# Altium PCB MSE-PCB-N1.PcbDoc (part 1 of 2)
Units mil, origin at the board's own origin, x right, y up, seen from the top; angles counter-clockwise.
Board outline 2086.61 x 3937.01 mil, 4 copper layers (Top Layer 1, Layer 2, Layer 3, Bottom Layer 4), stack 62.449 mil thick; 133 components, 118 nets, 385 pads, 141 vias.
Unrouted connection lines stored in the file: 63.
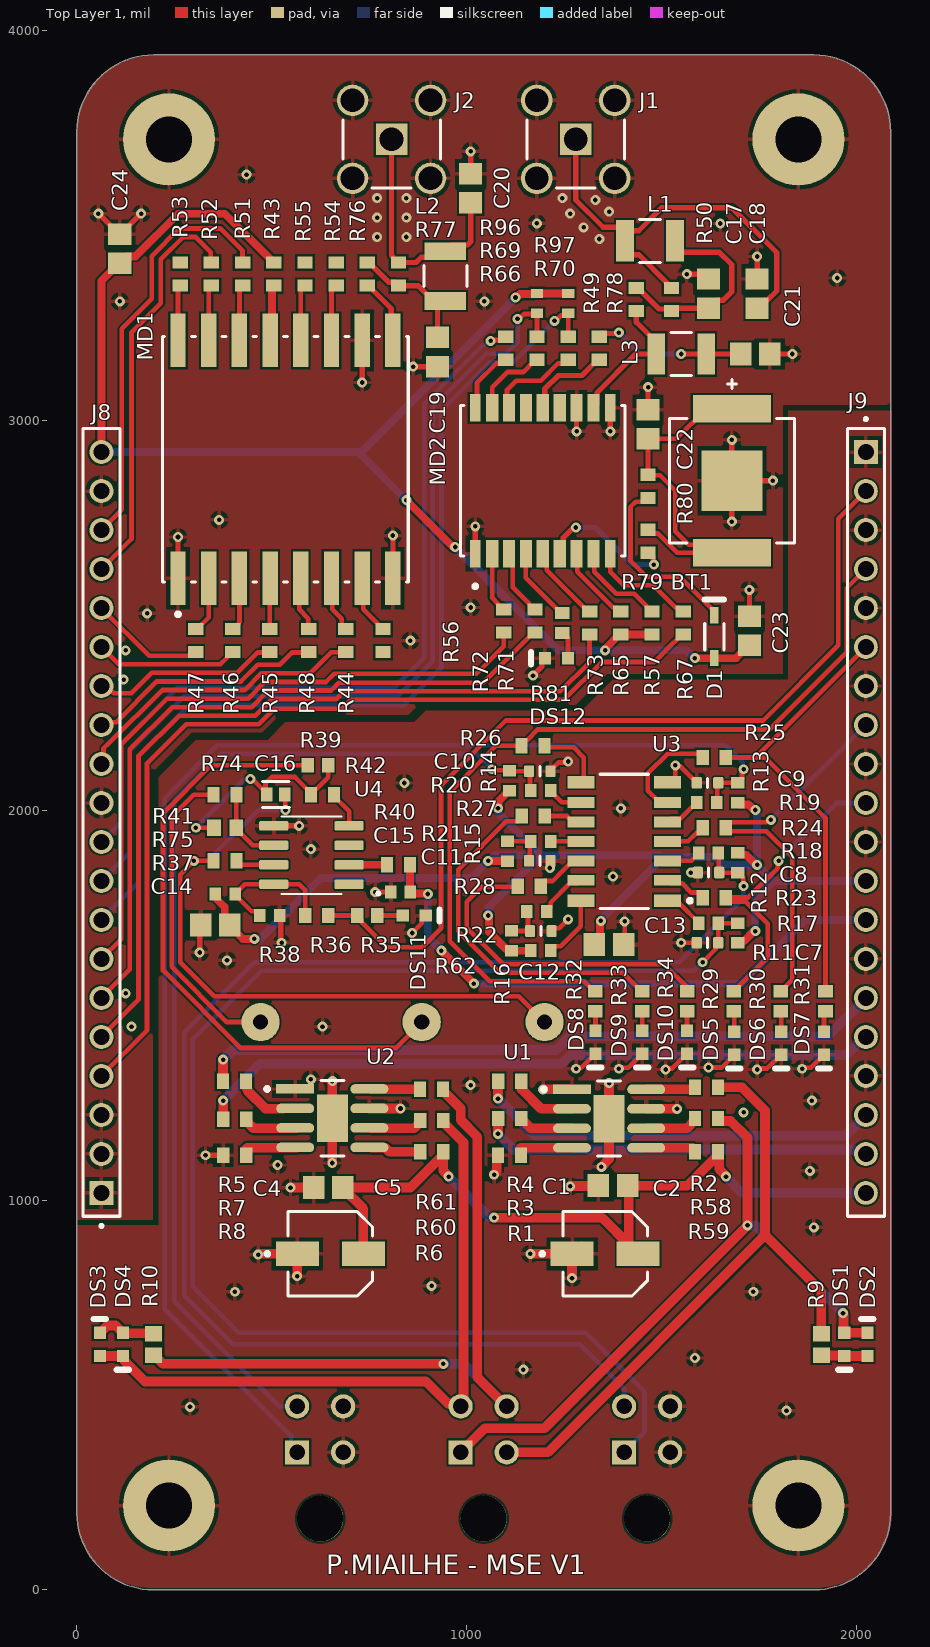
[diagram p0: Top Layer 1 view]
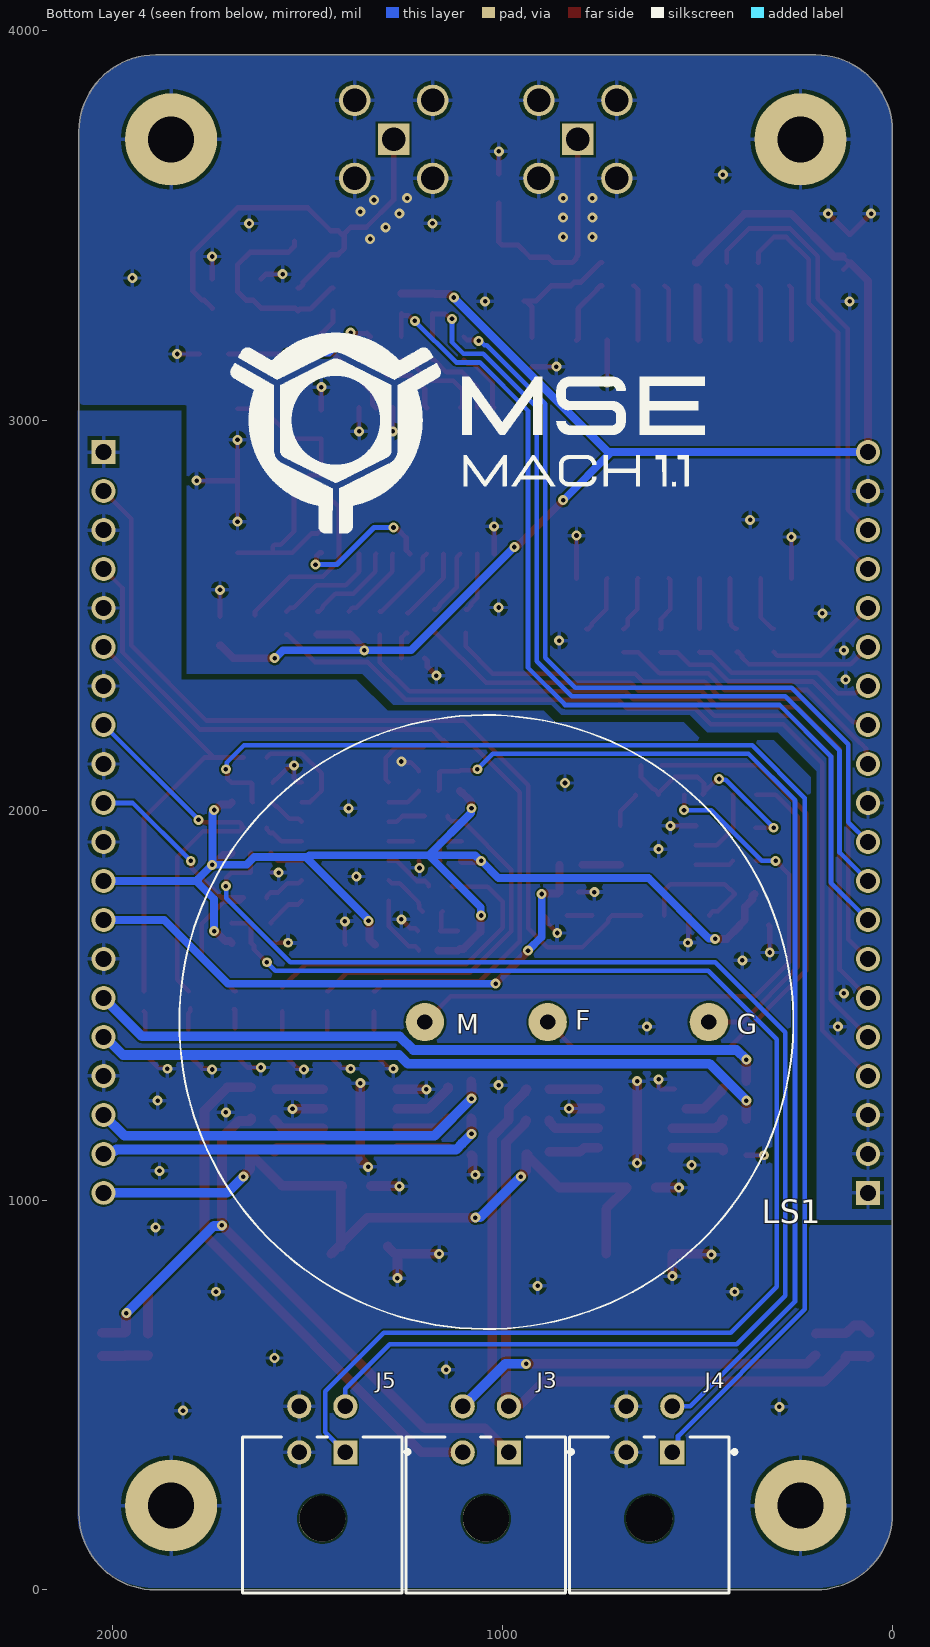
[diagram p1: Bottom Layer 4 view, seen from below]
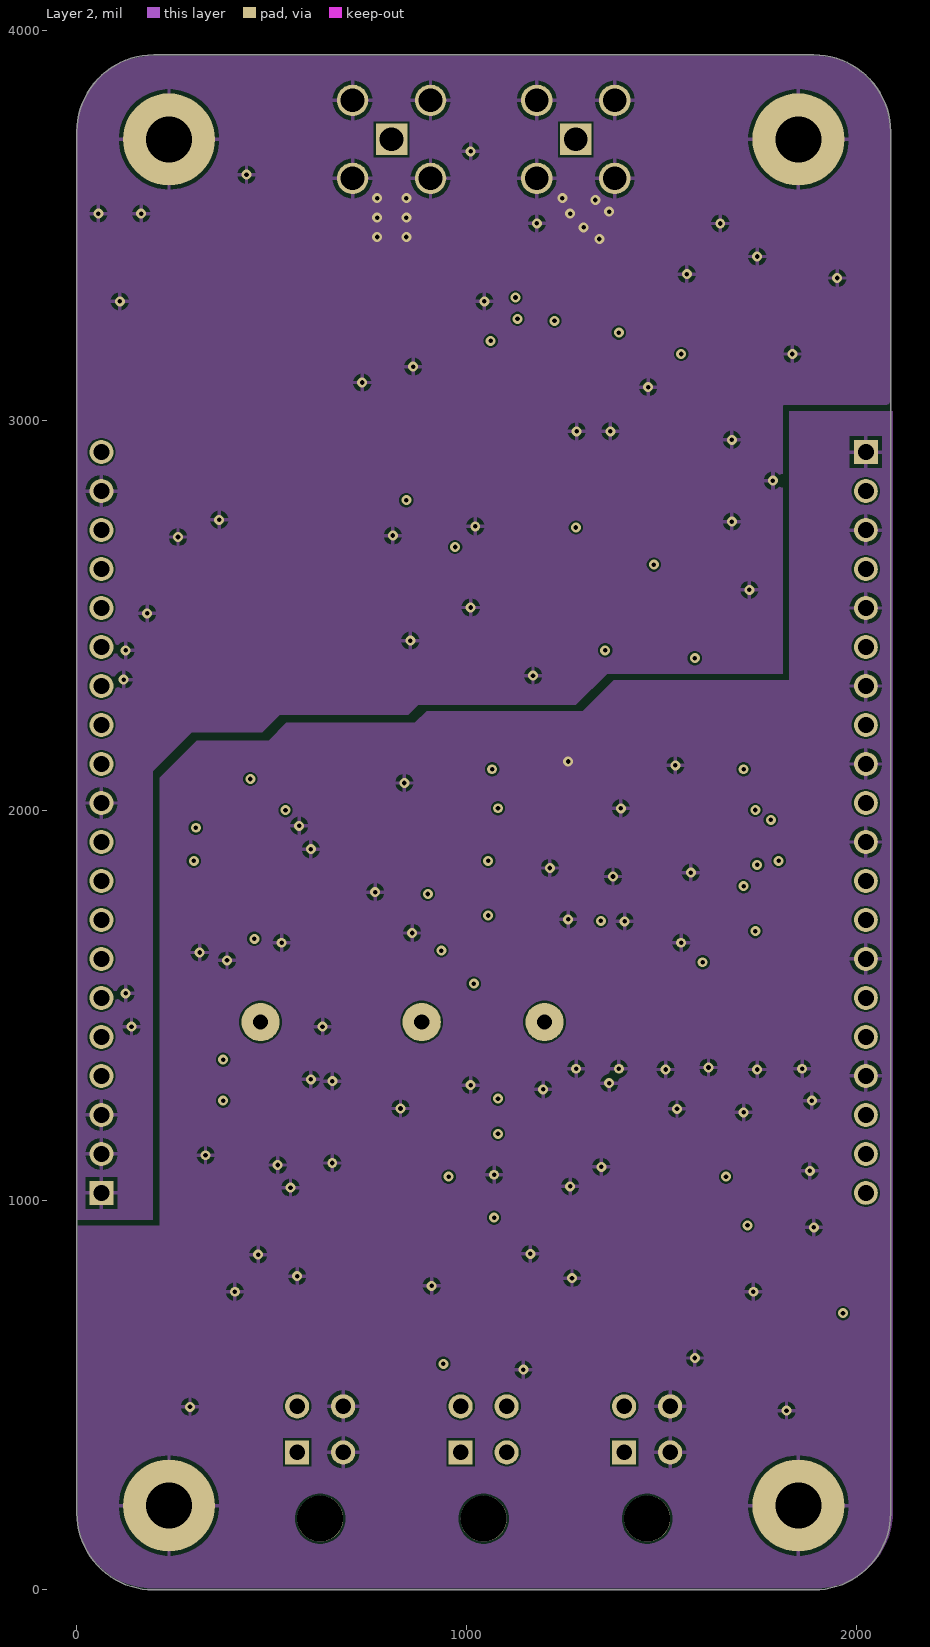
[diagram p2: Layer 2]
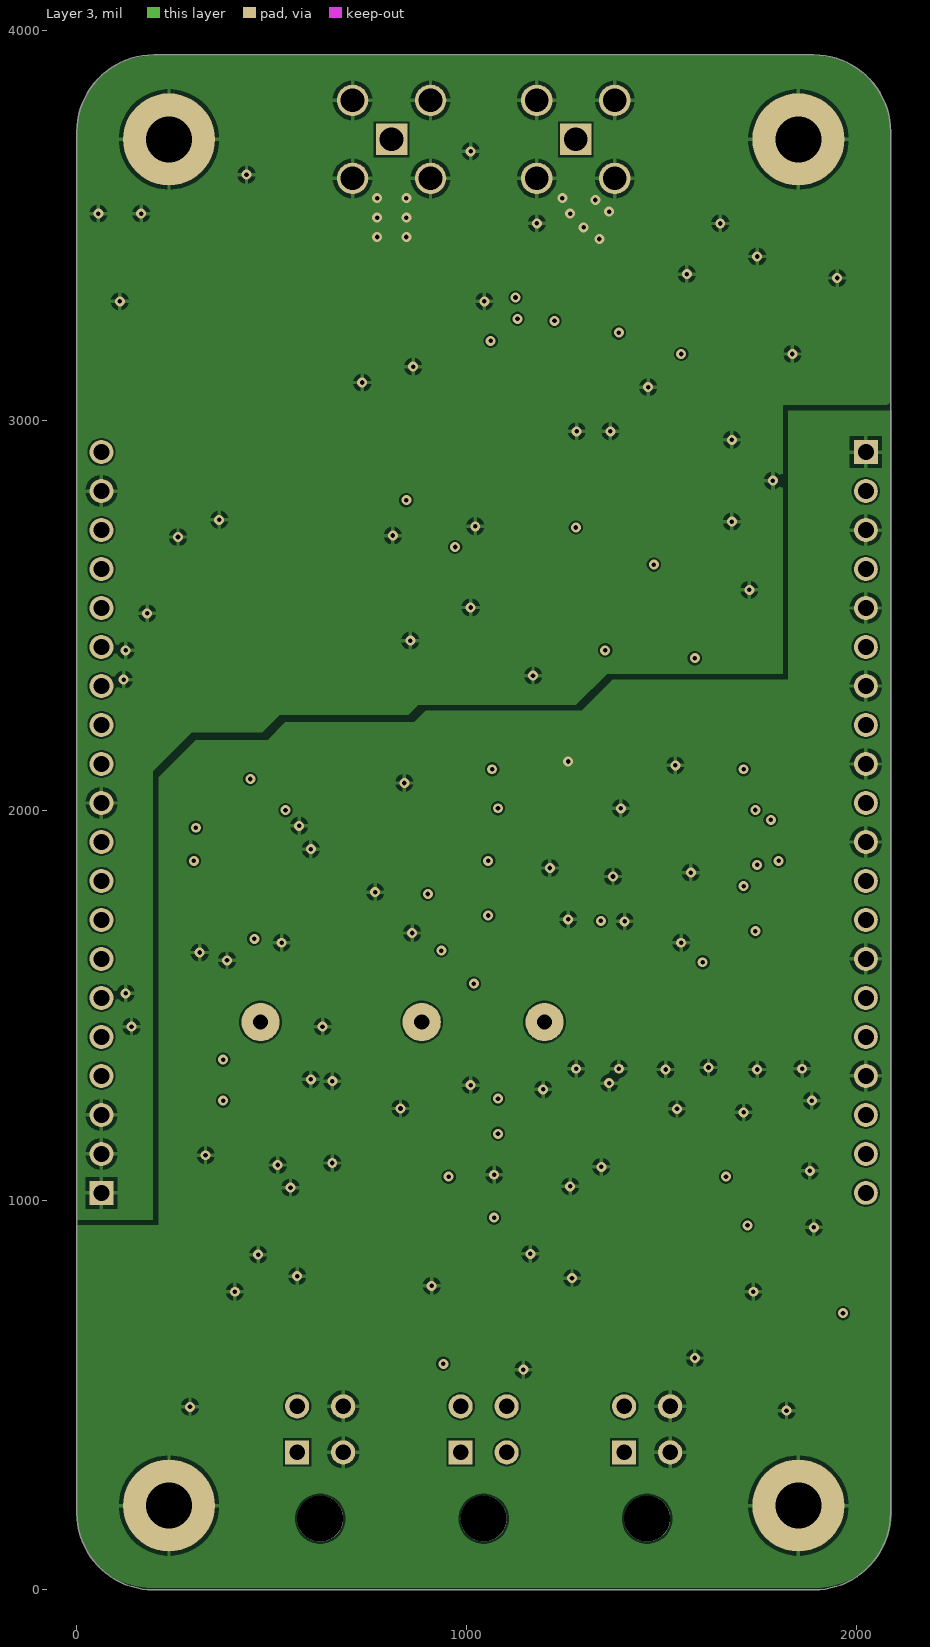
[diagram p3: Layer 3]
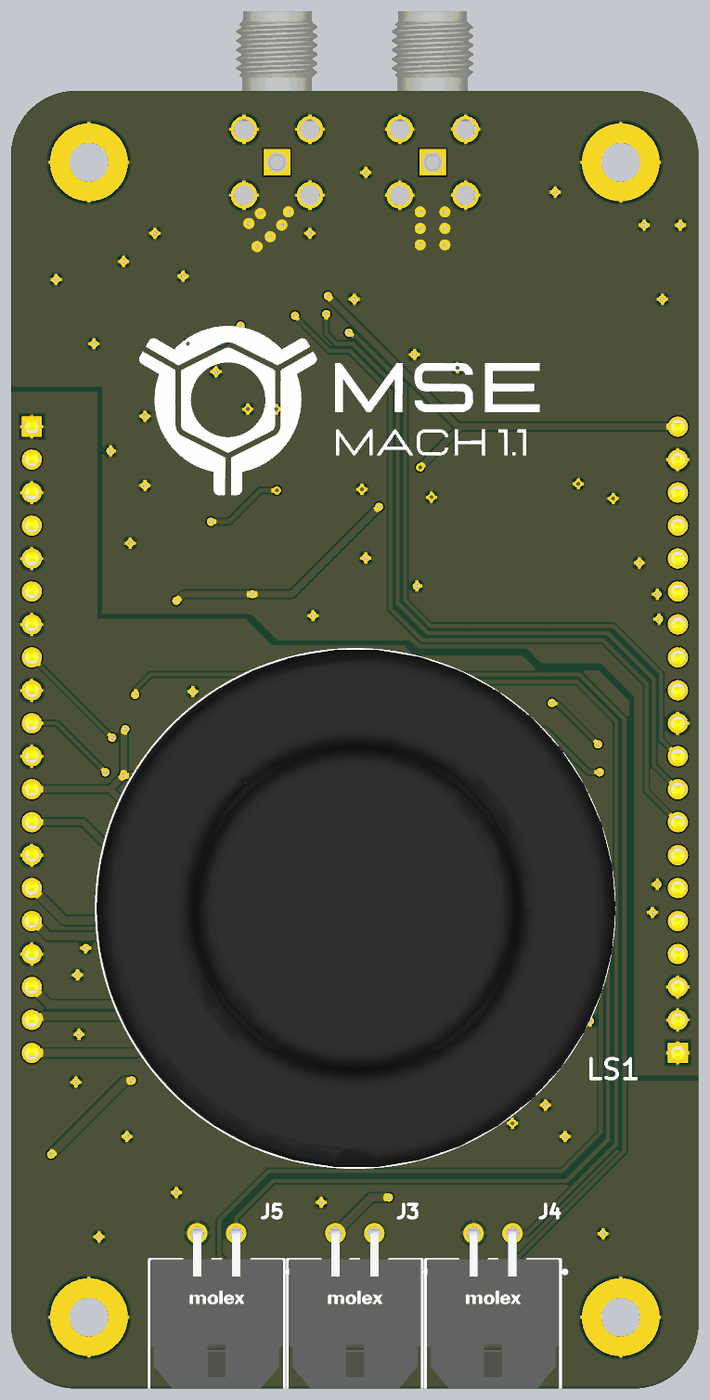
[diagram p5: 3D render of the assembled board from below, using the file's embedded part models]

## Layer stack, top to bottom
Top Solder: solder mask 0.8, SM-002, Dk 3.8
Top Layer 1: signal copper 1.378
Dielectric 2: prepreg 8.284, PP-022, Dk 4.6
Layer 2: signal copper 0.598
Dielectric 1: core 41.929, Core-042, Dk 4.6
Layer 3: signal copper 0.598
Dielectric 3: prepreg 8.284, PP-022, Dk 4.6
Bottom Layer 4: signal copper 1.378
Bottom Solder: solder mask 0.8, SM-002, Dk 3.8

## Board outline
0.25,197.1 0.25,3740.41 cw(c197.1,3740.41) 197.1,3937.26 1890.01,3937.26 cw(c1890.01,3740.41) 2086.86,3740.41 2086.86,197.1 cw(c1890.01,197.1) 1890.01,0.25 197.1,0.25 cw(c197.1,197.1)

## Design rules (kind name [scope] priority, off if disabled: settings)
Clearance [All] p1: gap=5 ignorepadtopadclearanceinfootprint=TRUE
PolygonConnect [All] p1: connectstyle=Relief reliefconductorwidth=10 reliefentries=4 polygonreliefangle="90 Angle" airgapwidth=10
RoutingVias "RoutingVias <= 0.45mm" [All] p1: holewidth=11.81 width=25.59 viastyle="Through Hole" minholewidth=9.84 minwidth=23.62 maxholewidth=17.72 maxwidth=31.5
RoutingVias "RoutingVias > 0.45" [All] p2: holewidth=19.68 width=33.47 viastyle="Through Hole" minholewidth=19.68 minwidth=33.47 maxholewidth=35.43 maxwidth=49.21
SolderMaskExpansion [All] p1: expansion=4 istentingtop=FALSE
Width "Schematic Width Constraint" [InNetClass('50R')] p1: maxlimit=13.57 minlimit=10.33 preferedwidth=13.57 toplayer_minwidth=13.57 midlayer1_maxwidth=10.33 midlayer1_prefwidth=10.33 midlayer2_maxwidth=10.33 midlayer2_prefwidth=10.33 bottomlayer_minwidth=13.57 impedanceprofiledriven=TRUE impedanceprofileid={4989CC44-6CF3-4D2A-A9EB-8AD993D5F0E3} impedanceprofilevalue=50.000000 minimp=50.000000 maximp=50.000000 favimp=50.000000 checkconnectedcopper=TRUE
Width Width_50R [InNetClass('50R')] p2: maxlimit=14.28 minlimit=10.33 preferedwidth=13.57 toplayer_minwidth=13.57 midlayer1_maxwidth=10.48 midlayer1_prefwidth=10.33 midlayer2_maxwidth=10.48 midlayer2_prefwidth=10.33 bottomlayer_minwidth=13.57 impedanceprofiledriven=TRUE impedanceprofileid={4989CC44-6CF3-4D2A-A9EB-8AD993D5F0E3} impedanceprofilevalue=50.000000 minimp=50.000000 maximp=50.000000 favimp=50.000000
Width [All] p3: maxlimit=25 minlimit=8 preferedwidth=12 minimp=50.000000 maximp=50.000000 favimp=50.000000
30 further rules are at their usual default settings.

## Classes and differential pairs
component class Connecteur: J3 J4 J5 J8 J9 R96 R97
net class 50R: GND_P NetC17_2 NetC18_2 NetC19_2 NetC20_2 NetC21_2 RF_IN RF_OUT VCC_RF

## Components (designator, comment, footprint, x,y, rotation, side; value= is the part's Value field where it differs from the comment)
BT1 "2998" FP-2998-MFG 1680,2845 r270 top
C1 "EEE1VA100SR" FP-SC-MFG 1355,862.05 r0 top
C2 "GRM21BR71H104KA01L" CAPC2013X135X45ML10T25 1375,1037.05 r0 top
C4 "EEE1VA100SR" FP-SC-MFG 650,862.05 r0 top
C5 "GRM21BR71H104KA01L" CAPC2013X135X45ML10T25 645,1032.05 r0 top
C7 "Capacitor 1µF +/-0.1% 25V 0603" CAPC0603(1608)100_L 1617.44,1660 r0 top value=1µF
C8 "Capacitor 1µF +/-0.1% 25V 0603" CAPC0603(1608)100_L 1620,1840 r0 top value=1µF
C9 "Capacitor 1µF +/-0.1% 25V 0603" CAPC0603(1608)100_L 1617.56,2070 r0 top value=1µF
C10 "Capacitor 1µF +/-0.1% 25V 0603" CAPC0603(1608)100_L 1187.44,2100 r180 top value=1µF
C11 "Capacitor 1µF +/-0.1% 25V 0603" CAPC0603(1608)100_L 1187.44,1870 r180 top value=1µF
C12 "Capacitor 1µF +/-0.1% 25V 0603" CAPC0603(1608)100_L 1190,1690 r180 top value=1µF
C13 "GRM21BR71H104KA01L" CAPC2013X135X45ML10T25 1365,1655 r180 top
C14 "GRM21BR71H104KA01L" CAPC2013X135X45ML10T25 355,1704.99 r0 top
C15 "GRM188R61E105KA12D" CAPC1608X90X35LL10T15 830,1789.99 r180 top
C16 "C0603C102J3GACTU" FP-C0603C-CF-MFG 510,2040 r0 top value="1,000 pF"
C17 "GRM21BR71H104KA01L" CAPC2013X135X45ML10T25 1620,3325 r270 top
C18 "GRM21BR71H104KA01L" CAPC2013X135X45ML10T25 1745,3325 r270 top
C19 "GRM21BR71H104KA01L" CAPC2013X135X45ML10T25 925,3175 r90 top
C20 "GRM21BR71H104KA01L" CAPC2013X135X45ML10T25 1010,3595 r270 top
C21 "GRM21BR71H104KA01L" CAPC2013X135X45ML10T25 1740,3170 r180 top
C22 "GRM21BR71H104KA01L" CAPC2013X135X45ML10T25 1465,2990 r270 top
C23 "GRM21BR71H104KA01L" CAPC2013X135X45ML10T25 1725,2460 r270 top
C24 "GRM21BR71H104KA01L" CAPC2013X135X45ML10T25 110,3440 r270 top
D1 "1N4148WS" FAIR-SOD-323_V 1635,2445 r90 top
DS1 "HSMG-C190" AVAG-HSMX-C190_V 1968.5,629.92 r270 top locked
DS2 "HSMH-C190" AVAG-HSMX-C190_V 2027.56,629.92 r90 top locked
DS3 "HSMG-C190" AVAG-HSMX-C190_V 59.06,629.92 r90 top locked
DS4 "HSMH-C190" AVAG-HSMX-C190_V 118.11,629.92 r270 top locked
DS5 "HSMG-C190" AVAG-HSMX-C190_V 1686.3,1402.48 r270 top
DS6 "HSMG-C190" AVAG-HSMX-C190_V 1806.3,1402.48 r270 top
DS7 "HSMG-C190" AVAG-HSMX-C190_V 1916.3,1402.48 r270 top
DS8 "HSMG-C190" AVAG-HSMX-C190_V 1330,1405 r270 top
DS9 "HSMG-C190" AVAG-HSMX-C190_V 1450,1405 r270 top
DS10 "HSMG-C190" AVAG-HSMX-C190_V 1565,1405 r270 top
DS11 "HSMG-C190" AVAG-HSMX-C190_V 865,1729.99 r0 top
DS12 "HSMG-C190" AVAG-HSMX-C190_V 1230,2390 r180 top
J1 "731000114" MOLX-731000114_V 1279.53,3720.47 r270 top locked
J2 "731000114" MOLX-731000114_V 807.09,3720.47 r270 top locked
J3 "43045-0400" FP-43045-0400-MFG 1043.31,196.85 r180 bottom locked
J4 "43045-0400" FP-43045-0400-MFG 624.02,196.85 r180 bottom locked
J5 "43045-0400" FP-43045-0400-MFG 1462.6,196.85 r180 bottom locked
J8 "SSW-120-01-X-S" SAMTEC_SSW-120-01-X-S 62.99,1968.5 r90 top locked
J9 "SSW-120-01-X-S" SAMTEC_SSW-120-01-X-S 2023.62,1968.5 r270 top locked
L1 "NC" FP-B82422A-MFG 1470,3460 r180 top
L2 "NC" FP-B82422A-MFG 945,3370 r90 top
L3 "NC" FP-B82422A-MFG 1550,3170 r180 top
LS1 "CPS-4013-110T" XDCR_CPS-4013-110T 1041.93,1456.69 r270 bottom locked
MD1 "RFM95W-868S2" FP-RFM95W-868S2-MFG 535,2900 r90 top locked
MD2 "MAX-M10S-00B" FP-MAX-M10S-00B-MFG 1195,2845 r90 top
R1 "RC0603JR-070RL" RESC1608X55X25ML10T15 1109.53,1115 r0 top
R2 "RC0603JR-070RL" RESC1608X55X25ML10T15 1615,1124.09 r180 top
R3 "RC0603JR-070RL" RESC1608X55X25ML10T15 1110,1209.09 r0 top
R4 "RC0603JR-070RL" RESC1608X55X25ML10T15 1110,1305 r0 top
R5 "RC0603JR-070RL" RESC1608X55X25ML10T15 405,1115 r0 top
R6 "RC0603JR-070RL" RESC1608X55X25ML10T15 910,1124.09 r180 top
R7 "RC0603JR-070RL" RESC1608X55X25ML10T15 405,1207.05 r0 top
R8 "RC0603JR-070RL" RESC1608X55X25ML10T15 404.53,1305 r0 top
R9 "ERA-3AEB751V" RESC1608X55X30ML20T20 1909.45,629.92 r270 top locked
R10 "ERA-3AEB751V" RESC1608X55X30ML20T20 196.85,629.92 r90 top
R11 "ERJ3EKF1002V" RESC1609X55X30LL15T15 1695,1685 r270 top
R12 "ERJ3EKF1002V" RESC1609X55X30LL15T15 1695,1865 r90 top
R13 "ERJ3EKF1002V" RESC1609X55X30LL15T15 1695,2045 r270 top
R14 "ERJ3EKF1002V" RESC1609X55X30LL15T15 1110,2075 r270 top
R15 "ERJ3EKF1002V" RESC1609X55X30LL15T15 1105,1895 r270 top
R16 "ERJ3EKF1002V" RESC1609X55X30LL15T15 1115,1665 r270 top
R17 "ERJ3EKF1002V" RESC1609X55X30LL15T15 1620,1710 r0 top
R18 "ERJ3EKF1002V" RESC1609X55X30LL15T15 1620,1890 r0 top
R19 "ERJ3EKF1002V" RESC1609X55X30LL15T15 1615,2020 r0 top
R20 "ERJ3EKF1002V" RESC1609X55X30LL15T15 1190,2050 r180 top
R21 "ERJ3EKF1002V" RESC1609X55X30LL15T15 1189.41,1920 r180 top
R22 "ERJ3EKF1002V" RESC1609X55X30LL15T15 1180,1740 r180 top
R23 "RC0603JR-070RL" RESC1608X55X25ML10T15 1635,1775 r0 top
R24 "RC0603JR-070RL" RESC1608X55X25ML10T15 1635,1955 r0 top
R25 "RC0603JR-070RL" RESC1608X55X25ML10T15 1635,2135 r0 top
R26 "RC0603JR-070RL" RESC1608X55X25ML10T15 1170,2165 r180 top
R27 "RC0603JR-070RL" RESC1608X55X25ML10T15 1170.47,1985 r180 top
R28 "RC0603JR-070RL" RESC1608X55X25ML10T15 1160,1805 r180 top
R29 "260R" RESC1609X50X30NL8T20 1685,1510 r270 top
R30 "260R" RESC1609X50X30NL8T20 1805,1510 r270 top
R31 "260R" RESC1609X50X30NL8T20 1920,1510 r270 top
R32 "260R" RESC1609X50X30NL8T20 1330,1510 r270 top
R33 "260R" RESC1609X50X30NL8T20 1450,1510 r270 top
R34 "260R" RESC1609X50X30NL8T20 1565,1510 r270 top
R35 "260R" RESC1609X50X30NL8T20 745,1729.99 r0 top
R36 "0R" RESC1608X55X25ML10T15 615,1729.99 r180 top
R37 "ERJ3EKF1002V" RESC1609X55X30LL15T15 380,1784.99 r180 top
R38 "ERJ3EKF1002V" RESC1609X55X30LL15T15 495,1729.99 r180 top
R39 "RC0603JR-070RL" RESC1608X55X25ML10T15 630,2039.99 r180 top
R40 "0R" RESC1608X55X25ML10T15 825,1859.99 r0 top
R41 "ERJ-3GEYJ155V" RESC1608X55X30ML15T15 380,1954.99 r0 top
R42 "ERJ-3EKF1503V" RESC1608X55X30NL15T15 618.43,2114.99 r180 top
R43 "0R" RESC1608X55X25ML10T15 505,3375 r270 top
R44 "0R" RESC1608X55X25ML10T15 690,2435 r90 top
R45 "0R" RESC1608X55X25ML10T15 495,2435.47 r90 top
R46 "0R" RESC1608X55X25ML10T15 400,2435.47 r90 top
R47 "0R" RESC1608X55X25ML10T15 305,2435.47 r90 top
R48 "0R" RESC1608X55X25ML10T15 595,2435 r90 top
R49 "0R" RESC1608X55X25ML10T15 1435,3310 r90 top
R50 "0R" RESC1608X55X25ML10T15 1525,3310 r90 top
R51 "0R" RESC1608X55X25ML10T15 425,3375 r90 top
R52 "0R" RESC1608X55X25ML10T15 345,3375 r90 top
R53 "0R" RESC1608X55X25ML10T15 265,3375 r90 top
R54 "0R" RESC1608X55X25ML10T15 665,3375 r90 top
R55 "0R" RESC1608X55X25ML10T15 585,3375 r90 top
R56 "0R" RESC1608X55X25ML10T15 785,2435 r270 top
R57 "0R" RESC1608X55X25ML10T15 1475,2480 r90 top
R58 "RC0603JR-070RL" RESC1608X55X25ML10T15 1615,1209.09 r0 top
R59 "RC0603JR-070RL" RESC1608X55X25ML10T15 1615,1289.09 r0 top
R60 "RC0603JR-070RL" RESC1608X55X25ML10T15 910,1204.09 r0 top
R61 "RC0603JR-070RL" RESC1608X55X25ML10T15 909.53,1284.09 r0 top
R62 "ERJ3EKF1002V" RESC1609X55X30LL15T15 1190,1640 r180 top
R65 "0R" RESC1608X55X25ML10T15 1395,2480 r90 top
R66 "0R" RESC1608X55X25ML10T15 1100,3185 r270 top
R67 "0R" RESC1608X55X25ML10T15 1555,2480 r90 top
R69 "0R" RESC1608X55X25ML10T15 1180,3185 r90 top
R70 "0R" RESC1608X55X25ML10T15 1260,3185 r90 top
R71 "0R" RESC1608X55X25ML10T15 1175,2485 r270 top
R72 "0R" RESC1608X55X25ML10T15 1095,2485 r270 top
R73 "0R" RESC1608X55X25ML10T15 1315,2480 r270 top
R74 "0R" RESC1608X55X25ML10T15 380,2040 r0 top
R75 "0R" RESC1608X55X25ML10T15 380,1870 r180 top
R76 "0R" RESC1608X55X25ML10T15 745,3375 r90 top
R77 "0R" RESC1608X55X25ML10T15 825,3375 r90 top
R78 "NC" RESC1608X55X25ML10T15 1340,3185 r90 top
R79 "0R" RESC1608X55X25ML10T15 1465,2690 r90 top
R80 "RC0603FR-073K3L" RESC1608X55X25ML10T15 1465,2830.47 r270 top
R81 "260R" RESC1609X50X30NL8T20 1245,2480 r270 top
R96 "RC0603FR-074K7L" RESC1608X55X25LL10T15 1180,3300 r90 top
R97 "RC0603FR-074K7L" RESC1608X55X25LL10T15 1260,3300 r90 top
U1 "DRV8871DDARQ1" FP-DDA0008E-IPC_A 1365,1209.09 r0 top
U2 "DRV8871DDARQ1" FP-DDA0008E-IPC_A 655.12,1210 r0 top
U3 "74HC14D,653" FP-SOT108-1-MFG 1404,1920 r180 top locked
U4 "RE46C100S8F" SOIC127P600X175-8N 601.65,1884.99 r180 top

## Footprints (in the part's own frame and the unit in brackets; to place one, negate y for a bottom-side part, rotate by r counter-clockwise, add the part's x,y. Pads: shape width x height; smd on the part's side, far side on the other; paste and mask are expansions set on the pad)
AVAG-HSMX-C190_V [mm] "SMD, 2-Leads, Body 1.6x0.8mm, Height 0.9mm"
  rect 0.8x0.8 smd: 1(-0.75,0) 2(0.75,0)
  silkscreen extent 1.65,-0.4 1.65,0.4, body extent -0.8,-0.4 0.8,0.4, height 0.9
CAPC0603(1608)100_L [mm] "Chip Capacitor, Body 1.6x0.8mm, Height 1.0mm, IPC High Density"
  rrect25% 0.66x0.76 smd: 1(-0.7,0) 2(0.7,0)
  silkscreen extent 0,-0.3 0,0.3, body extent -0.8,-0.4 0.8,0.4, height 0.95
CAPC1608X90X35LL10T15 [mm] "Chip Capacitor, 2-Leads, Body 1.60x0.80mm, IPC High Density"
  rect 0.75x0.85 smd: 1(-0.625,0) 2(0.625,0)
  body extent -0.85,-0.45 0.85,0.45, height 0.9
CAPC2013X135X45ML10T25 [mm] "Chip Capacitor, 2-Leads, Body 2.10x1.35mm, IPC Low Density"
  rect 1.4x1.5 smd: 1(-0.95,0) 2(0.95,0)
  body extent -1.05,-0.67 1.05,0.67, height 1.35
FAIR-SOD-323_V [mm] "SODFL, 2-Leads, Body 1.25x1.7mm"
  rect 1.05x0.55 smd: 1(-1.4,0) 2(1.4,0)
  silkscreen extent -0.85,-0.63 2.43,0.63, body extent -1.25,-0.63 1.25,0.63, height 1
FP-2998-MFG [mil]
  rect 156x156 smd paste-39370.1 mask+0: 1(0,0)
  rect 70x200 smd paste+0 mask+0: 2(-185,0) 2(185,0)
  silkscreen extent -260,-160 160,160
FP-43045-0400-MFG [mm]
  rect 1.57x1.57 hole 1.02 paste-1000 mask+0: 1(1.5,3.965)
  round 1.57 hole 1.02 paste-1000 mask+0: 2(-1.5,3.965) 3(1.5,6.965) 4(-1.5,6.965)
  round 3 hole 3 unplated paste-1000 mask+0: ""(0,-0.355)
  silkscreen extent -5.2,-5.21 5.67,4.95, body extent -5.07,-4.95 5.07,7.29, height 9.27
FP-B82422A-MFG [mm]
  rect 1.15x2.7 smd paste+0 mask+0: 1(-1.625,0) 2(1.625,0)
  silkscreen extent -0.67,-1.4 0.67,1.4, body extent -2.3,-1.5 2.3,1.5, height 0.25
FP-C0603C-CF-MFG [mm]
  rect 0.75x0.9 smd paste+0 mask+0: 1(-0.6,0) 2(0.6,0)
  silkscreen extent -0.87,-0.85 0.88,0.85, body extent -1.2,-0.6 1.2,0.6, height 0.25
FP-DDA0008E-IPC_A [mm]
  rect 2.474x0.622 smd paste+0 mask+0: 1(-2.416,1.905)
  rrect100% 2.474x0.622 smd paste+0 mask+0: 2(-2.416,0.635) 3(-2.416,-0.635) 4(-2.416,-1.905) 5(2.416,-1.905) 6(2.416,-0.635) 7(2.416,0.635) 8(2.416,1.905)
  rect 2.025x3.1 smd paste-1000 mask+0: 9(0,0)
  silkscreen extent -4.37,-2.45 0.75,2.45, body extent -4.15,-2.95 4.15,2.95, height 0.25
FP-MAX-M10S-00B-MFG [mm]
  rect 1.8x0.7 smd paste-1000 mask+0: 1(-4.75,4.4) 9(-4.75,-4.4) 10(4.75,-4.4) 18(4.75,4.4)
  rect 1.8x0.8 smd paste-1000 mask+0: 2(-4.75,3.3) 3(-4.75,2.2) 4(-4.75,1.1) 5(-4.75,0) 6(-4.75,-1.1) 7(-4.75,-2.2) 8(-4.75,-3.3) 11(4.75,-3.3) 12(4.75,-2.2) 13(4.75,-1.1) 14(4.75,0) 15(4.75,1.1) 16(4.75,2.2) 17(4.75,3.3)
  silkscreen extent -7,-5.35 4.9,5.35, body extent -5.75,-5.45 5.75,5.45, height 0.25
FP-RFM95W-868S2-MFG [mm]
  rect 3.5x1 smd paste+0 mask+0: 1(-7.75,7) 2(-7.75,5) 3(-7.75,3) 4(-7.75,1) 5(-7.75,-1) 6(-7.75,-3) 7(-7.75,-5) 8(-7.75,-7) 9(7.75,-7) 10(7.75,-5) 11(7.75,-3) 12(7.75,-1) 13(7.75,1) 14(7.75,3) 15(7.75,5) 16(7.75,7)
  silkscreen extent -10.22,-8 8,8, body extent -9.6,-8.1 9.6,8.1, height 0.25
FP-SC-MFG [mm]
  rect 2.8x1.6 smd paste+0 mask+0: 1(-2.15,0) 2(2.15,0)
  silkscreen extent -4.22,-2.75 2.75,2.75, body extent -3.8,-3 3.8,3, height 0.25
FP-SOT108-1-MFG [mm]
  rect 1.75x0.8 smd paste-1000 mask+0: 1(-2.825,3.86) 7(-2.825,-3.86) 8(2.825,-3.86) 14(2.825,3.86)
  rect 1.75x0.7 smd paste-1000 mask+0: 2(-2.825,2.54) 3(-2.825,1.27) 4(-2.825,0) 5(-2.825,-1.27) 6(-2.825,-2.54) 9(2.825,-2.54) 10(2.825,-1.27) 11(2.825,0) 12(2.825,1.27) 13(2.825,2.54)
  silkscreen extent -4.4,-4.38 1.58,4.38, body extent -3.83,-5.33 3.83,5.33, height 0.25
MOLX-731000114_V [mm] "Connector, 5-Leads, Body 14.8x6.35mm, Pitch 2.54mm"
  rect 2.05x2.05 hole 1.54: 1(0,0)
  round 2.05 hole 1.54: 2(-2.54,2.54) 3(-2.54,-2.54) 4(2.54,-2.54) 5(2.54,2.54)
  silkscreen extent -1.26,-3.18 3.18,3.18, body extent -11.62,-3.17 3.18,3.18, height 9.57
RESC1608X55X25LL10T15 [mm] "Chip Resistor, 2-Leads, Body 1.60x0.80mm, IPC High Density"
  rect 0.6x0.8 smd: 1(-0.65,0) 2(0.65,0)
  body extent -0.85,-0.45 0.85,0.45, height 0.55
RESC1608X55X25ML10T15 [mm] "Chip Resistor, 2-Leads, Body 1.60x0.80mm, IPC Low Density"
  rect 0.8x1 smd: 1(-0.75,0) 2(0.75,0)
  body extent -0.85,-0.45 0.85,0.45, height 0.55
RESC1608X55X30ML15T15 [mm] "Chip Resistor, 2-Leads, Body 1.60x0.80mm, IPC Low Density"
  rect 0.9x1.05 smd: 1(-0.725,0) 2(0.725,0)
  body extent -0.87,-0.48 0.87,0.48, height 0.55
RESC1608X55X30ML20T20 [mm] "Chip Resistor, 2-Leads, Body 1.60x0.80mm, IPC Low Density"
  rect 1x1.1 smd: 1(-0.7,0) 2(0.7,0)
  body extent -0.9,-0.5 0.9,0.5, height 0.55
RESC1608X55X30NL15T15 [mm] "Chip Resistor, 2-Leads, Body 1.60x0.80mm, IPC Medium Density"
  rect 0.8x0.95 smd: 1(-0.675,0) 2(0.675,0)
  body extent -0.87,-0.48 0.87,0.48, height 0.55
RESC1609X50X30NL8T20 [mm] "Chip Resistor, 2-Leads, Body 1.65x0.95mm, IPC Medium Density"
  rect 0.8x0.95 smd: 1(-0.65,0) 2(0.65,0)
  body extent -0.82,-0.48 0.82,0.48, height 0.5
RESC1609X55X30LL15T15 [mm] "Chip Resistor, 2-Leads, Body 1.75x0.95mm, IPC High Density"
  rect 0.75x0.85 smd: 1(-0.65,0) 2(0.65,0)
  body extent -0.87,-0.48 0.87,0.48, height 0.55
SAMTEC_SSW-120-01-X-S [mm]
  rect 1.56x1.56 hole 1.04: 01(-24.13,0)
  round 1.56 hole 1.04: 02(-21.59,0) 03(-19.05,0) 04(-16.51,0) 05(-13.97,0) 06(-11.43,0) 07(-8.89,0) 08(-6.35,0) 09(-3.81,0) 10(-1.27,0) 11(1.27,0) 12(3.81,0) 13(6.35,0) 14(8.89,0) 15(11.43,0) 16(13.97,0) 17(16.51,0) 18(19.05,0) 19(21.59,0) 20(24.13,0)
  silkscreen extent -26.38,-1.2 25.66,1.2, body extent -25.78,-1.21 25.53,1.21, height 8.52
SOIC127P600X175-8N [mm]
  rrect25% 1.9x0.6 smd: 1(-2.455,1.905) 2(-2.455,0.635) 3(-2.455,-0.635) 4(-2.455,-1.905) 5(2.455,-1.905) 6(2.455,-0.635) 7(2.455,0.635) 8(2.455,1.905)
  silkscreen extent -4.45,-2.52 1.95,2.6, body extent -3,-2.45 3,2.45, height 1.76
XDCR_CPS-4013-110T [mm]
  round 2.5 hole 1: 1(0,-4) 2(0,4) 3(0,14.5)
  silkscreen extent -20,-20 20,20, body extent -20,-19.93 20,20.07, height 13

## Part data
BT1: library part CMP-19636-000010-1, "BATTERY RETAINER COIN 6.8MM SMD", Case/Package=SMD/SMT, Color=Silver, Package Quantity=100, Contact Material=Bronze, Height=2.9mm, Lead Free="Lead Free", Material=Bronze, Mount="Surface Mount", Number of Batteries=1, Number of Cells=1, REACH SVHC="No SVHC", Termination=SMD/SMT
C1 C4: library part CMP-05427-000087-1, "CAP ALUM 10UF 20% 35V SMD", Capacitance=10uF, Case/Package=Radial, Leakage Current=3uA, Max Operating Temperature=85°C, Min Operating Temperature=-40°C, Package Quantity=1, Ripple Current=30mA, Tolerance=20%, Voltage=35V, Construction=Cylindrical, Contact Plating=Tin, Diameter=5mm, Height=5.4mm, Height - Seated (Max)=0.213inch, Lead Length=2.2mm, Lead Pitch=1.5mm, Length=5.5mm, Life (Hours)=2000Hour, Mount="Surface Mount", Number of Pins=2, Packaging="Tape and Reel", Radiation Hardening=No, REACH SVHC="No SVHC", Ripple Current (AC)=30mA, RoHS Compliant=Yes, Series=S, Termination=SMD/SMT, Voltage Rating=35V, Voltage Rating (DC)=35V, Width=5.3mm
C2 C5 C13 C14 C22 C23 C24: library part CMP-2100-03644-1, "Chip Capacitor, 0.1 uF, +/- 10%, 50 V, -55 to 125 degC, 0805 (2012 Metric), RoHS, Tape and Reel", Capacitance=100nF, Case Code (Imperial)=0805, Case Code (Metric)=2012, Dielectric=X7R, Dielectric Material=Ceramic, Insulation Resistance=10GR, Manufacturer=Murata, Max Operating Temperature=125degC, Min Operating Temperature=-55degC, Package Description="2-Pin Surface Mount Device, Body 2 x 1.25 mm", Package Quantity=1, Tolerance=10%, Voltage=50V, Case/Package=0805, Datasheet URL=http://psearch.en.murata.com/capacitor/product/GRM21BR71H104KA01%23.pdf, Datasheet Version=42675.0, Depth=1.25mm, Height=1.25mm, Lead Free=LeadFree, Length=2mm, Manufacturer URL=http://www.murata.com/, Material=Ceramic, Mount=SurfaceMount, Number of Pins=2, Package Reference=0805, Packaging=TapeandReel, Radiation Hardening=No, REACH SVHC=Unknown, RoHSCompliant=true, Termination=SMD/SMT, Thickness=0.053inch, Voltage Rating=50V, Voltage Rating (DC)=50V, Width=0.049inch
C7 C8 C9 C10 C11 C12: library part CMP-001-00055-4, "Chip Capacitor, 1µF +/-0.1%, 25V, 0603, Thickness 1 mm", Case/Package=0603, Max Operating Temperature=85°C, Min Operating Temperature=-55°C, Tolerance=20%, Voltage Rating=25V, Mounting Technology=SMT, Pins=2
C15: library part CMP-2006-02459-1, Capacitance=1uF, Case Code (Imperial)=0603, Case Code (Metric)=1608, Dielectric=X5R, Manufacturer=Murata, Max Operating Temperature=85°C, Min Operating Temperature=-55°C, Package Quantity=4000, Supplier Part Number 1=1828802, Tolerance=10%, Voltage=25V, Case/Package=0603, Category="Ceramic Capacitors", Depth=0.8mm, Height=0.8mm, Lead Free="Lead Free", Length=1.6mm, Manufacturer Part Number=GRM188R61E105KA12D, Material=Ceramic, Mount="Surface Mount", Number of Pins=2, Packaging="Tape and Reel", Part Number=GRM188R61E105KA12D, Pricing 1="10=0.13400, 100=0.05920, 500=0.03800, 1000=0.03090 (GBP)", Radiation Hardening=No, REACH SVHC="No SVHC", RoHS=Yes, RoHS Compliant=Yes, Supplier 1=Farnell, Termination=SMD/SMT, Thickness=0.035inch, Voltage Rating=25V, Voltage Rating (DC)=25V, Width=0.031inch
C16: library part CMP-2006-03010-2, "CAP CER 1000PF 25V 5% NP0 0603", Capacitance=1nF, Case Code (Imperial)=0603, Case Code (Metric)=1608, Dielectric=C0G, Dielectric Material=Ceramic, Manufacturer=KEMET, Max Operating Temperature=125°C, Min Operating Temperature=-55°C, Package=C0603C-CF, Package Quantity=1, Supplier Part Number 1=80-C0603C102J3G, Temperature="-55°C to +125°C", Temperature Coefficient=30ppm/°C, Temperature Range High=+125°C, Tolerance=0.05, Voltage=25V, Voltage Rating="25 V", Automotive=Yes, Automotive Grade="Grade 1", Case/Package=0603, Category=Cap, ComponentLink1Description=https://datasheet.ciiva.com/18192/getdatasheetpartid-127803-18192629.pdf?src-supplier=Verical, ComponentLink1URL=https://datasheet.ciiva.com/18192/getdatasheetpartid-127803-18192629.pdf?src-supplier=Verical, ComponentLink2Description=Datasheet, ComponentLink2URL=https://api.kemet.com/component-edge/download/datasheet/C0603C100J5GACAUTO.pdf, ComponentLink3Description=https://datasheet.ciiva.com/7823/f9080b-0402-series-c0g-7823966.pdf?src-supplier=Element14, ComponentLink3URL=https://datasheet.ciiva.com/7823/f9080b-0402-series-c0g-7823966.pdf?src-supplier=Element14, ComponentLink4Description=https://datasheet.ciiva.com/7823/f9080b-0402-series-c0g-7823967.pdf?src-supplier=Element14, ComponentLink4URL=https://datasheet.ciiva.com/7823/f9080b-0402-series-c0g-7823967.pdf?src-supplier=Element14, Construction=Flat, Contact Plating=Tin,Matte, Depth=0.8mm, Device Class L1="Passive Components", Device Class L2=Capacitors, Device Class L3="Ceramic Capacitors", Digikey Description="CAP CER 1000PF 25V 5% NP0 0603", Height=0.87mm, Lead Free=Yes, Lead Pitch=0.7mm, Length=1.6mm, Manufacturer Part Number=C0603C102J3GACTU, Material=Ceramic, Mount="Surface Mount", Mouser Description="Multilayer Ceramic Capacitors MLCC - SMD/SMT 25volts 1000pF C0G 5%", Number of Pins=2, Octopart=https://octopart.com/c0603c102j3gactu-kemet-8375722, Packaging="Tape and Reel", Pricing 1="1=0,10000, 10=0,02700, 50=0,02700, 100=0,02200, 500=0,01600, 1000=0,01200, 4000=0,01000, 8000=0,00900, 10000=0,00900 (USD)", Radiation Hardening=No, REACH SVHC="No SVHC", RoHS=TRUE, RoHS Compliant=Yes, Series=C, Stock 1=70048, Supplier 1=Mouser, Temperature Characteristic=C0G, Temperature Range Low=-55°C, Termination=SMD/SMT, Thickness=0.034inch, Voltage Rating (DC)=25V, Width=0.031inch